# Altium PCB NewBee.PcbDoc
Units mil, origin at the board's own origin, x right, y up, seen from the top; angles counter-clockwise.
Board outline 3177.12 x 3177.14 mil, 2 copper layers (Top Layer, Bottom Layer); 91 components, 60 nets, 303 pads, 178 vias.
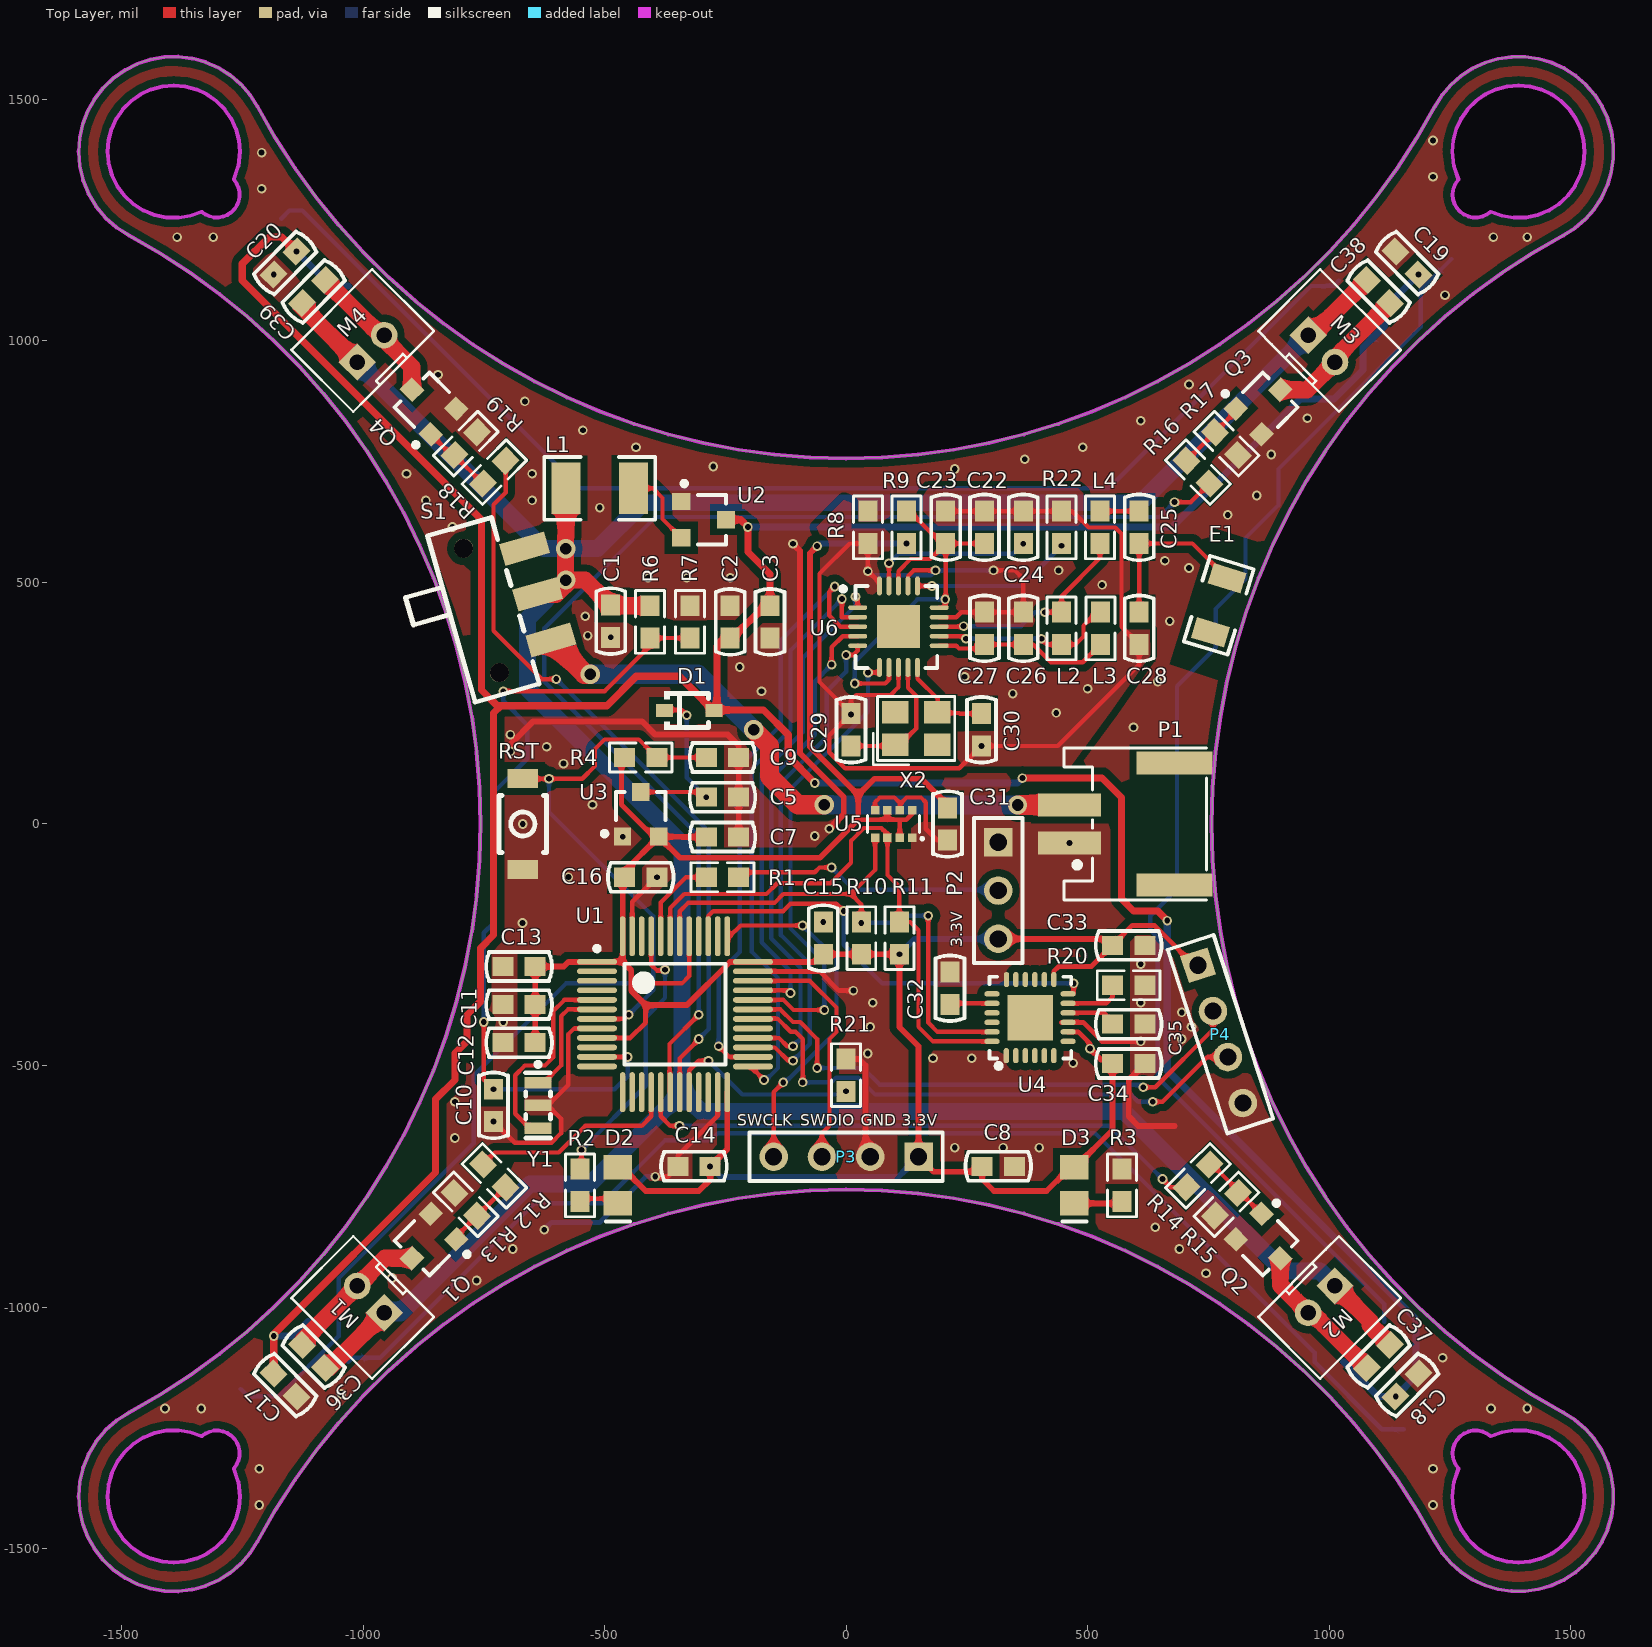
[diagram p0: Top Layer view]
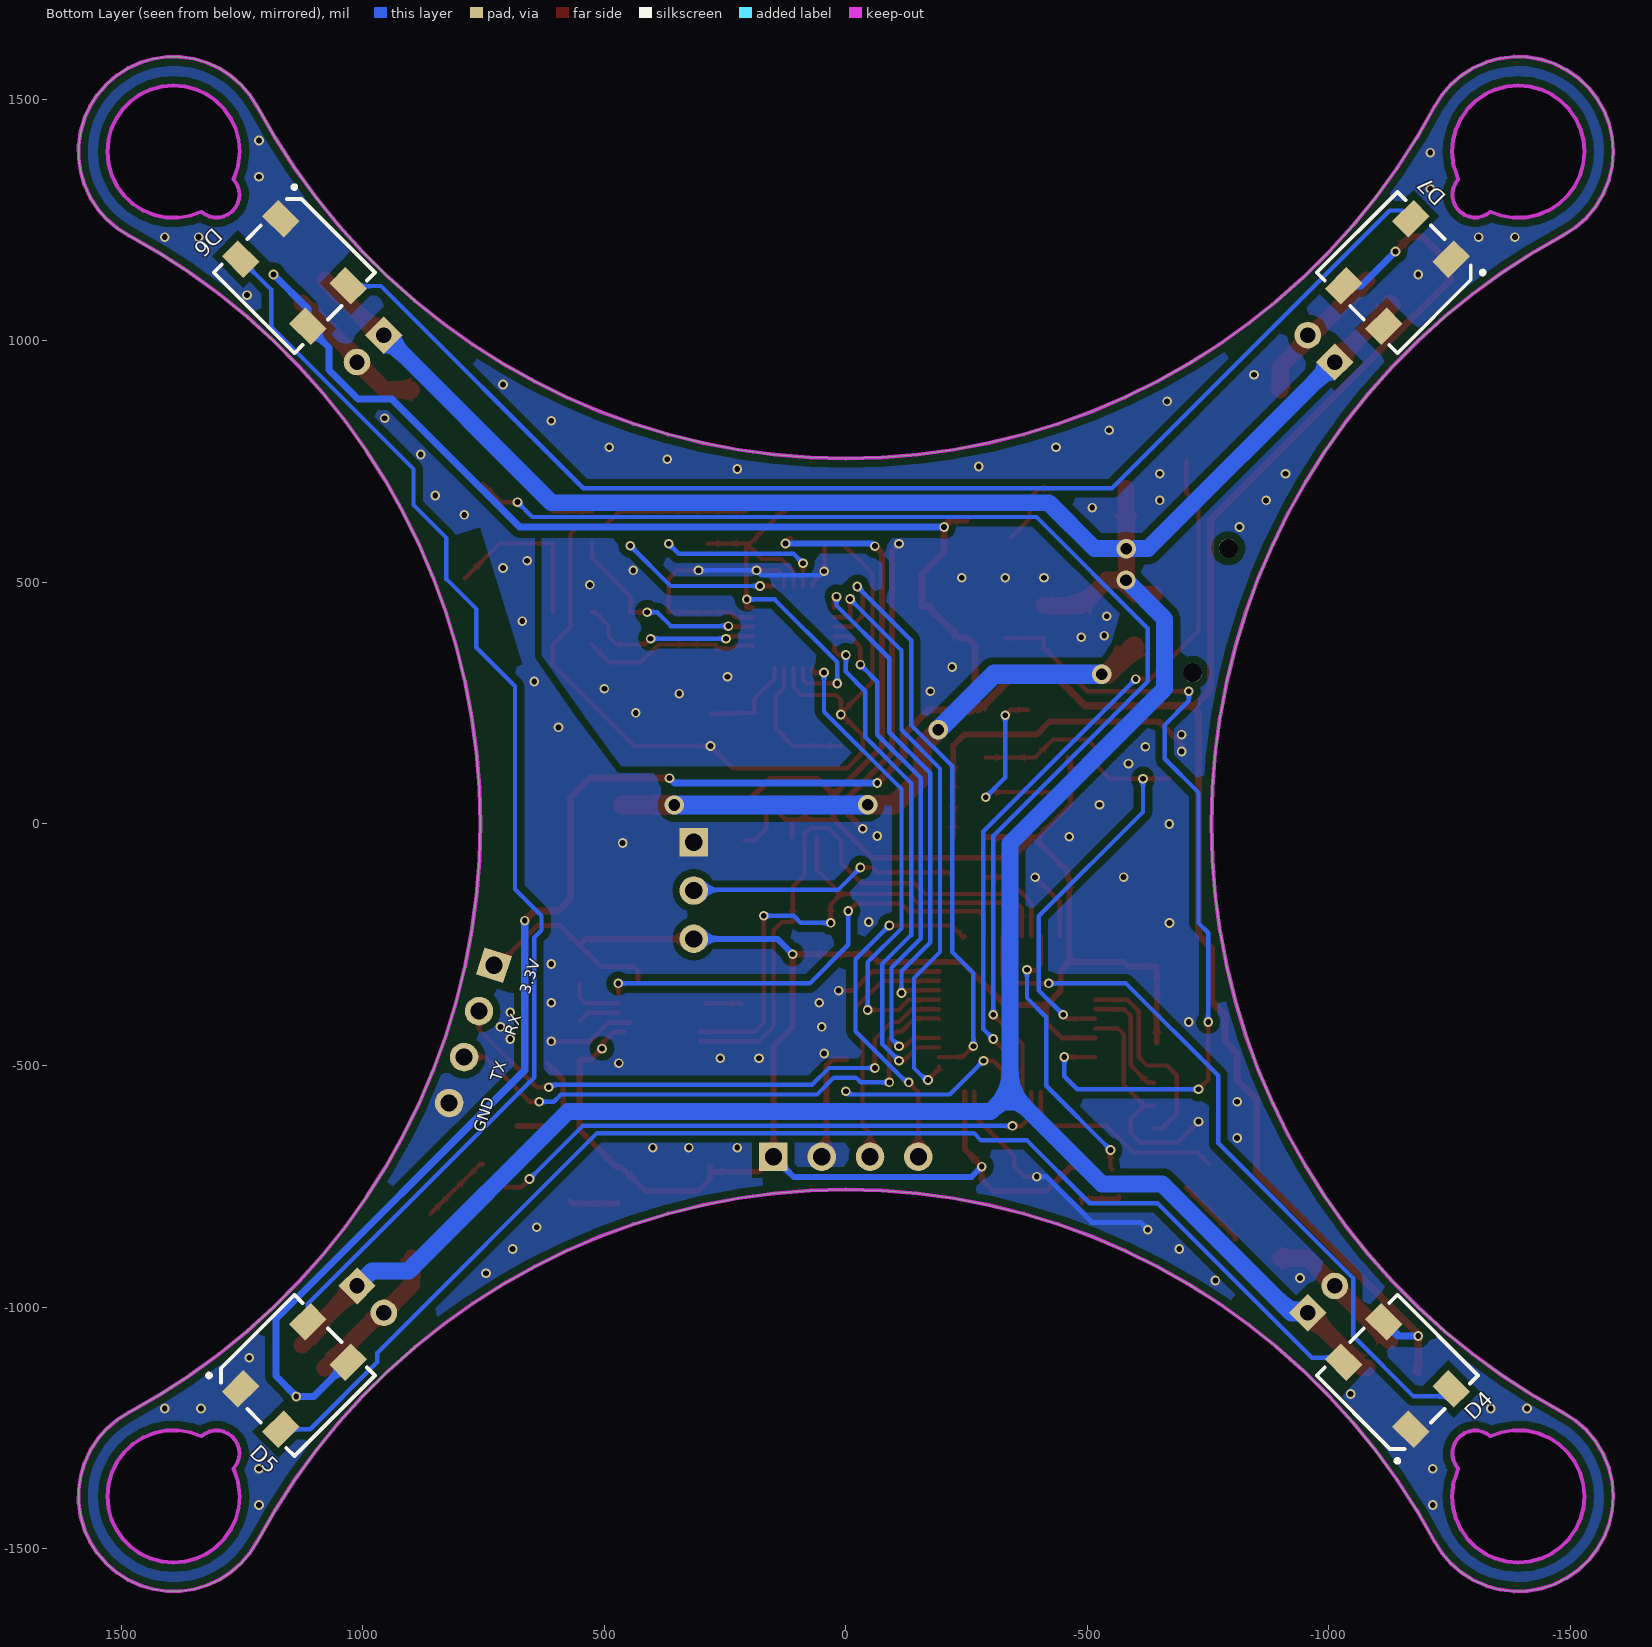
[diagram p1: Bottom Layer view, seen from below]

## Layer stack, top to bottom
Top Solder: solder mask 0.4, Solder Resist, Dk 3.5
Top Layer: signal copper 1.4
Dielectric 1: dielectric 12.6, FR-4, Dk 4.8
Bottom Layer: signal copper 1.4
Bottom Solder: solder mask 0.4, Solder Resist, Dk 3.5

## Board outline
-1485.16,1218.56 -1420.5,1181.52 -1357.92,1141.04 -1297.61,1097.25 -1239.75,1050.28 -1184.5,1000.26 -1132.03,947.34 -1082.48,891.67 -1036,833.41 -992.73,772.74 -952.78,709.82 -916.28,644.84 -883.33,578 -854.03,509.47 -828.47,439.47 -806.71,368.19 -788.82,295.84 -774.85,222.63 -764.84,148.78 -758.82,74.5 -756.82,0 -758.82,-74.5 -764.84,-148.78 -774.85,-222.64 -788.82,-295.84 -806.71,-368.19 -828.47,-439.47 -854.03,-509.47 -883.33,-578 -916.28,-644.84 -952.78,-709.82 -992.73,-772.74 -1036,-833.42 -1082.48,-891.67 -1132.03,-947.34 -1184.5,-1000.26 -1239.75,-1050.28 -1297.61,-1097.25 -1357.92,-1141.04 -1420.5,-1181.52 -1485.16,-1218.56 -1510.64,-1234.91 -1533.32,-1254.96 -1552.65,-1278.26 -1568.18,-1304.24 -1579.54,-1332.3 -1586.47,-1361.76 -1588.79,-1391.94 -1586.67,-1420.8 -1580.33,-1449.03 -1569.93,-1476.03 -1555.68,-1501.22 -1537.89,-1524.04 -1516.95,-1544.01 -1493.3,-1560.69 -1467.47,-1573.73 -1440.01,-1582.84 -1411.5,-1587.82 -1382.58,-1588.57 -1353.85,-1585.07 -1325.95,-1577.4 -1299.48,-1565.73 -1275,-1550.29 -1253.05,-1531.44 -1234.1,-1509.57 -1218.56,-1485.16 -1181.52,-1420.5 -1141.04,-1357.92 -1097.25,-1297.61 -1050.28,-1239.75 -1000.26,-1184.5 -947.34,-1132.03 -891.67,-1082.48 -833.41,-1036 -772.74,-992.73 -709.82,-952.78 -644.84,-916.28 -578,-883.33 -509.47,-854.03 -439.47,-828.47 -368.19,-806.71 -295.84,-788.82 -222.63,-774.85 -148.78,-764.84 -74.5,-758.82 0,-756.82 74.5,-758.82 148.78,-764.84 222.64,-774.85 295.84,-788.82 368.19,-806.71 439.47,-828.47 509.47,-854.03 578,-883.33 644.84,-916.28 709.82,-952.78 772.74,-992.73 833.42,-1036 891.67,-1082.48 947.34,-1132.03 1000.26,-1184.5 1050.28,-1239.75 1097.25,-1297.61 1141.04,-1357.92 1181.52,-1420.5 1218.56,-1485.16 1233.65,-1508.97 1251.99,-1530.37 1273.19,-1548.94 1296.83,-1564.29 1322.42,-1576.11 1349.43,-1584.15 1377.31,-1588.25 1405.5,-1588.33 1433.4,-1584.38 1460.46,-1576.48 1486.11,-1564.81 1509.83,-1549.59 1531.14,-1531.14 1549.59,-1509.83 1564.81,-1486.11 1576.48,-1460.46 1584.38,-1433.4 1588.33,-1405.5 1588.25,-1377.31 1584.15,-1349.43 1576.11,-1322.42 1564.29,-1296.83 1548.94,-1273.19 1530.37,-1251.99 1508.97,-1233.65 1485.16,-1218.56 1420.5,-1181.52 1357.92,-1141.04 1297.61,-1097.25 1239.75,-1050.28 1184.5,-1000.26 1132.03,-947.34 1082.48,-891.67 1036,-833.42 992.73,-772.74 952.78,-709.82 916.28,-644.84 883.33,-578 854.03,-509.47 828.47,-439.47 806.71,-368.19 788.82,-295.84 774.85,-222.64 764.84,-148.78 758.82,-74.5 756.82,0 758.82,74.5 764.84,148.78 774.85,222.63 788.82,295.84 806.71,368.19 828.47,439.47 854.03,509.47 883.33,578 916.28,644.84 952.78,709.82 992.73,772.74 1036,833.41 1082.48,891.67 1132.03,947.34 1184.5,1000.26 1239.75,1050.28 1297.61,1097.25 1357.92,1141.04 1420.5,1181.52 1485.16,1218.56 1508.97,1233.65 1530.37,1251.99 1548.94,1273.19 1564.29,1296.83 1576.11,1322.42 1584.15,1349.43 1588.25,1377.31 1588.33,1405.5 1584.38,1433.4 1576.48,1460.46 1564.81,1486.11 1549.59,1509.83 1531.14,1531.14 1509.83,1549.59 1486.11,1564.81 1460.46,1576.48 1433.4,1584.38 1405.5,1588.33 1377.31,1588.25 1349.43,1584.15 1322.42,1576.11 1296.83,1564.29 1273.19,1548.94 1251.99,1530.37 1233.65,1508.97 1218.56,1485.16 1181.52,1420.5 1141.04,1357.92 1097.25,1297.61 1050.28,1239.75 1000.26,1184.5 947.34,1132.03 891.67,1082.48 833.42,1036 772.74,992.73 709.82,952.78 644.84,916.28 578,883.33 509.47,854.03 439.47,828.47 368.19,806.71 295.84,788.82 222.64,774.85 148.78,764.84 74.5,758.82 0,756.82 -74.5,758.82 -148.78,764.84 -222.63,774.85 -295.84,788.82 -368.19,806.71 -439.47,828.47 -509.47,854.03 -578,883.33 -644.84,916.28 -709.82,952.78 -772.74,992.73 -833.41,1036 -891.67,1082.48 -947.34,1132.03 -1000.26,1184.5 -1050.28,1239.75 -1097.25,1297.61 -1141.04,1357.92 -1181.52,1420.5 -1218.56,1485.16 -1234.1,1509.57 -1253.05,1531.44 -1275,1550.29 -1299.48,1565.73 -1325.95,1577.4 -1353.85,1585.07 -1382.58,1588.57 -1411.5,1587.82 -1440.01,1582.83 -1467.47,1573.73 -1493.3,1560.69 -1516.95,1544.01 -1537.89,1524.04 -1555.68,1501.22 -1569.93,1476.03 -1580.33,1449.03 -1586.67,1420.8 -1588.79,1391.94 -1586.47,1361.76 -1579.54,1332.29 -1568.18,1304.24 -1552.65,1278.26 -1533.32,1254.96 -1510.64,1234.91
cut-out: 1528.95,1391.94 1526.68,1367.11 1519.95,1343.1 1508.98,1320.71 1494.13,1300.68 1475.9,1283.67 1454.88,1270.25 1431.79,1260.86 1407.37,1255.81 1382.44,1255.26 1357.82,1259.25 1334.34,1267.63 1326.34,1261.86 1317.32,1257.88 1307.67,1255.86 1297.81,1255.88 1288.17,1257.96 1279.17,1261.98 1271.2,1267.79 1264.61,1275.13 1259.69,1283.67 1256.64,1293.05 1255.61,1302.86 1257,1314.23 1261.09,1324.93 1267.63,1334.34 1258.15,1362.45 1254.93,1391.94 1257.02,1415.73 1263.2,1438.8 1273.29,1460.45 1286.99,1480.01 1303.88,1496.9 1323.44,1510.59 1345.08,1520.69 1368.15,1526.87 1391.94,1528.95 1415.73,1526.87 1438.8,1520.69 1460.45,1510.59 1480.01,1496.9 1496.9,1480.01 1510.6,1460.45 1520.69,1438.8 1526.87,1415.73
cut-out: 1254.93,-1391.94 1258.15,-1362.45 1267.63,-1334.34 1261.09,-1324.93 1257,-1314.23 1255.61,-1302.86 1256.64,-1293.05 1259.69,-1283.67 1264.61,-1275.13 1271.2,-1267.79 1279.17,-1261.98 1288.17,-1257.96 1297.81,-1255.88 1307.67,-1255.86 1317.32,-1257.88 1326.34,-1261.86 1334.34,-1267.63 1357.82,-1259.25 1382.44,-1255.26 1407.37,-1255.81 1431.79,-1260.86 1454.88,-1270.25 1475.9,-1283.67 1494.13,-1300.68 1508.98,-1320.71 1519.95,-1343.1 1526.68,-1367.11 1528.95,-1391.94 1526.87,-1415.73 1520.69,-1438.8 1510.6,-1460.45 1496.9,-1480.01 1480.01,-1496.9 1460.45,-1510.6 1438.8,-1520.69 1415.73,-1526.87 1391.94,-1528.95 1368.15,-1526.87 1345.08,-1520.69 1323.44,-1510.6 1303.88,-1496.9 1286.99,-1480.01 1273.29,-1460.45 1263.2,-1438.8 1257.02,-1415.73
cut-out: -1528.95,-1391.94 -1526.68,-1367.11 -1519.95,-1343.1 -1508.98,-1320.71 -1494.13,-1300.68 -1475.9,-1283.67 -1454.88,-1270.25 -1431.78,-1260.86 -1407.37,-1255.81 -1382.44,-1255.26 -1357.82,-1259.25 -1334.34,-1267.63 -1326.63,-1262.03 -1317.96,-1258.09 -1308.67,-1255.97 -1299.15,-1255.76 -1289.78,-1257.46 -1280.94,-1261.01 -1272.99,-1266.25 -1266.25,-1272.99 -1261.01,-1280.94 -1257.46,-1289.78 -1255.76,-1299.15 -1255.97,-1308.68 -1258.09,-1317.96 -1262.03,-1326.63 -1267.63,-1334.34 -1258.15,-1362.45 -1254.93,-1391.94 -1257.02,-1415.73 -1263.2,-1438.8 -1273.29,-1460.45 -1286.99,-1480.01 -1303.88,-1496.9 -1323.44,-1510.6 -1345.08,-1520.69 -1368.15,-1526.87 -1391.94,-1528.95 -1415.73,-1526.87 -1438.8,-1520.69 -1460.45,-1510.6 -1480.01,-1496.9 -1496.9,-1480.01 -1510.59,-1460.45 -1520.69,-1438.8 -1526.87,-1415.73
cut-out: -1254.93,1391.94 -1258.15,1362.45 -1267.63,1334.34 -1262.03,1326.63 -1258.09,1317.96 -1255.97,1308.67 -1255.76,1299.15 -1257.46,1289.78 -1261.01,1280.94 -1266.25,1272.99 -1272.99,1266.25 -1280.94,1261.01 -1289.78,1257.46 -1299.15,1255.76 -1308.67,1255.97 -1317.96,1258.09 -1326.63,1262.03 -1334.34,1267.63 -1357.82,1259.25 -1382.44,1255.26 -1407.37,1255.81 -1431.78,1260.86 -1454.88,1270.25 -1475.9,1283.67 -1494.13,1300.68 -1508.98,1320.71 -1519.95,1343.1 -1526.68,1367.11 -1528.95,1391.94 -1526.87,1415.73 -1520.69,1438.8 -1510.59,1460.45 -1496.9,1480.01 -1480.01,1496.9 -1460.45,1510.59 -1438.8,1520.69 -1415.73,1526.87 -1391.94,1528.95 -1368.15,1526.87 -1345.08,1520.69 -1323.44,1510.59 -1303.88,1496.9 -1286.99,1480.01 -1273.29,1460.45 -1263.2,1438.8 -1257.02,1415.73

## Design rules (kind name [scope] priority, off if disabled: settings)
Clearance [All] p1: gap=6 except(15: Arc-Poly Track-Poly SMDPad-Poly THPad-Poly Via-Poly Fill-Poly Poly-Poly)
MinimumSolderMaskSliver [All] p1: minsoldermaskwidth=0
PolygonConnect [All] p1: connectstyle=Direct reliefconductorwidth=10 reliefentries=4 polygonreliefangle="90 Angle" airgapwidth=10
RoutingVias RoutingVias_1 [(InNet('5V') OR InNet('VBAT') OR InNet('NetP1_2'))] p1: holewidth=16 width=30 viastyle="Through Hole" minholewidth=10 minwidth=20 maxholewidth=28 maxwidth=50
RoutingVias [All] p2: holewidth=12 width=20 viastyle="Through Hole" minholewidth=5 minwidth=10 maxholewidth=28 maxwidth=50
SilkToSilkClearance [All] p1: silktosilkclearance=0
SilkToSolderMaskClearance [IsPad] p1: minsilkscreentomaskgap=0 clearancetoexposedcopper=TRUE
SolderMaskExpansion [All] p1: expansion=4
Width Width_3 [InNet('5V')] p1: maxlimit=20 minlimit=10 preferedwidth=15
Width Width_2 [(InNet('VBAT') OR InNet('NetP1_2'))] p2: maxlimit=50 minlimit=15 preferedwidth=40
Width Width_1 [InNet('3.3V')] p3: maxlimit=12 minlimit=10 preferedwidth=12
Width [All] p4: maxlimit=50 minlimit=9 preferedwidth=9
27 further rules are at their usual default settings.

## Components (designator, comment, footprint, x,y, rotation, side; value= is the part's Value field where it differs from the comment)
C1 "10μF" C-0603 -487.44,420 r90 top
C2 "22μF" C-0603 -239.97,418.39 r270 top
C3 "104" C-0603 -157.48,418.39 r90 top
C5 "1μF" C-0603 -255.91,55.45 r0 top
C7 "1μF" C-0603 -255.91,-26.9 r0 top
C8 "104" C-0603 314.96,-708.66 r0 top
C9 "104" C-0603 -255.91,137.8 r0 top
C10 "104" C-0603 -730,-582.68 r90 top
C11 "1μF" C-0603 -677.17,-374.02 r0 top
C12 "104" C-0603 -677.17,-452.76 r0 top
C13 "104" C-0603 -677.17,-295.28 r0 top
C14 "104" C-0603 -314.96,-708.66 r180 top
C15 "104" C-0603 -47.24,-236.22 r270 top
C16 "104" C-0603 -425.2,-110.24 r180 top
C17 "104" C-0603 -1161.42,-1161.42 r315 top
C18 "104" C-0603 1161.42,-1161.42 r45 top
C19 "104" C-0603 1161.42,1161.42 r135 top
C20 "104" C-0603 -1161.42,1161.42 r225 top
C22 "10nF" C-0603 286.36,614.17 r270 top
C23 "1nF" C-0603 206.26,614.17 r270 top
C24 "33nF" C-0603 366.78,614.17 r90 top
C25 "1.5pF" C-0603 606.74,614.17 r90 top
C26 "2.2nF" C-0603 366.78,405.08 r90 top
C27 "4.7pF" C-0603 286.36,405.08 r90 top
C28 "1pF" C-0603 606.74,405.08 r90 top
C29 "10pF" C-0603 10.32,195.08 r270 top
C30 "10pF" C-0603 280.32,195.08 r90 top
C31 "104" C-0603 210,0 r90 top
C32 "2.2nF" C-0603 215,-340 r270 top
C33 "104" C-0603 585,-251.22 r180 top
C34 "10nF" C-0603 585,-496.06 r180 top
C35 "104" C-0603 585,-414.45 r0 top
C36 "4.7μF" C-0603 -1102.36,-1102.36 r135 top
C37 "4.7μF" C-0603 1102.36,-1102.36 r225 top
C38 "4.7μF" C-0603 1102.36,1102.36 r315 top
C39 "4.7μF" C-0603 -1102.36,1102.36 r45 top
D1 "1N5819" SOD-323_L1.6-W1.3-LS2.7-RD -325,235 r0 top
D2 "LED0" LED-0805 -472.44,-748.03 r270 top
D3 "LED0" LED-0805 472.44,-748.03 r270 top
D4 "WS2812B" SMD-5050-4 -1141.73,-1141.73 r225 bottom
D5 "WS2812B" SMD-5050-4 1141.73,-1141.73 r315 bottom
D6 "WS2812B" SMD-5050-4 1141.73,1141.73 r45 bottom
D7 "WS2812B" SMD-5050-4 -1141.73,1141.73 r135 bottom
E1 "ANT" AN3216 771.65,452.76 r253 top
L1 "Inductor" 1210 -510,695 r0 top
L2 "Inductor" 0603-1 446.22,405.08 r270 top
L3 "Inductor" 0603-1 526.64,405.08 r90 top
L4 "Inductor" 0603-1 525.66,614.17 r90 top
M1 "Motor_720" PH2.0-2P-TH -984.25,-984.25 r135 top
M2 "Motor_720" PH2.0-2P-TH 984.25,-984.25 r225 top
M3 "Motor_720" PH2.0-2P-TH 984.25,984.25 r315 top
M4 "Motor_720" PH2.0-2P-TH -984.25,984.25 r45 top
P1 "Header 2" PH2.0-2P-SMD-WT 570.87,0 r90 top
P2 "Header 3" HDR3X1-2.54 314.96,-137.8 r270 top
P3 "Header 4" HDR4X1-2.54 0,-688.98 r180 top
P4 "Header 4" HDR4X1-2.54 775,-435 r288 top
Q1 "SI2302" SOT23-3 -866.14,-866.14 r135 top
Q2 "SI2302" SOT23-3 866.14,-866.14 r225 top
Q3 "SI2302" SOT23-3 866.14,866.14 r315 top
Q4 "SI2302" SOT23-3 -866.14,866.14 r45 top
R1 "10K" 0603-1 -255.91,-110.24 r0 top
R2 "1K" 0603-1 -551.18,-748.03 r270 top
R3 "1K" 0603-1 570.87,-748.03 r270 top
R4 "10K" 0603-1 -425.2,137.8 r180 top
R6 "100K" 0603-1 -405.94,418.39 r270 top
R7 "100K" 0603-1 -323.45,418.39 r90 top
R8 "0R" 0603-1 45.08,614.17 r90 top
R9 "0R" 0603-1 125.17,614.17 r270 top
R10 "4.7K" 0603-1 31.5,-236.22 r90 top
R11 "4.7K" 0603-1 110.24,-236.22 r90 top
R12 "100R" 0603-1 -728.35,-728.35 r315 top
R13 "10K" 0603-1 -787.4,-787.4 r315 top
R14 "100R" 0603-1 728.35,-728.35 r45 top
R15 "10K" 0603-1 787.4,-787.4 r45 top
R16 "100R" 0603-1 728.35,728.35 r135 top
R17 "10K" 0603-1 787.4,787.4 r135 top
R18 "100R" 0603-1 -728.35,728.35 r225 top
R19 "10K" 0603-1 -787.4,787.4 r225 top
R20 "1K" 0603-1 585,-333.82 r180 top
R21 "10K" 0603-1 0,-520 r90 top
R22 "10K" 0603-1 446.22,614.17 r270 top
RST "SW-PB" SW-SMD_L4.0-W3.0-P4.8-LS5.0-L -669.29,0 r270 top
S1 "SW" SW-SMD_DEALON_MK-12D04-G2 -745,445 r106 top
U1 "STM32F103C8T6" LQFP-48 -354.33,-393.7 r0 top
U2 "HT7750SA" SOT23-3 -295,630 r270 top
U3 "XC6206-3.3V" SOT23-3 -425.2,20 r0 top
U4 "MPU6050" QFN-24 380.83,-400.83 r0 top
U5 "SPL06-001" SENSOR-SMD_SPL06-001 98.43,0 r0 top
U6 "Si24R1" QFN20 24.06,447.83 r0 top
X2 "16M" X-SMD_4P-L3.2-W2.5-BL 145,197.7 r0 top
Y1 "8MHz" OSC-SMD_3P-L3.2-W1.3-P1.20-L -637.8,-582.68 r270 top

## Footprints (in the part's own frame and the unit in brackets; to place one, negate y for a bottom-side part, rotate by r counter-clockwise, add the part's x,y. Pads: shape width x height; smd on the part's side, far side on the other; paste and mask are expansions set on the pad)
0603-1 [mm] "0603带丝印"
  rect 1.1x1 smd: 1(-0.85,0) 2(0.85,0)
  silkscreen extent -1.65,-0.76 1.65,0.76, body extent -0.8,-0.4 0.8,0.4, height 0.3
1210 [mil] "贴片元件"
  rect 60x106.3 smd: 1(-70,0) 2(70,0)
  silkscreen extent -115,-65 115,65, body extent -65,-50 65,50, height 39
AN3216 [mm]
  rect 1.13x1.8 smd: 0(1.49,0) 1(-1.49,0)
  silkscreen extent -2.36,-1.2 2.35,1.2, body extent -2.25,-1 2.25,1, height 0.88
C-0603 [mm] "贴片电容"
  rect 1.1x1 smd: 1(-0.85,0) 2(0.85,0)
  silkscreen extent -1.73,-0.76 1.73,0.76, body extent -0.8,-0.4 0.8,0.4, height 0.3
HDR3X1-2.54 [mm] "2.54单排针排座"
  rect 1.5x1.5 hole 0.9: 1(-2.54,0)
  round 1.5 hole 0.9: 2(0,0) 3(2.54,0)
  silkscreen extent -3.81,-1.27 3.81,1.27, body extent -3.81,-1.27 3.81,1.27, height 8.54
HDR4X1-2.54 [mm] "2.54单排针排座"
  rect 1.5x1.5 hole 0.9: 1(-3.81,0)
  round 1.5 hole 0.9: 2(-1.27,0) 3(1.27,0) 4(3.81,0)
  silkscreen extent -5.08,-1.27 5.08,1.27, body extent -5.08,-1.27 5.08,1.27, height 8.5
LED-0805 [mm] "贴片LED"
  rect 1.3x1.5 smd: 1(-0.95,0) 2(0.95,0)
  silkscreen extent 1.91,-0.63 1.91,0.64, body extent -1.01,-0.62 1.01,0.63, height 1.1
LQFP-48 [mm] "LQFP"
  oval 2.1x0.3 smd: 1(-4.1,2.75) 2(-4.1,2.25) 3(-4.1,1.75) 4(-4.1,1.25) 5(-4.1,0.75) 6(-4.1,0.25) 7(-4.1,-0.25) 8(-4.1,-0.75) 9(-4.1,-1.25) 10(-4.1,-1.75) 11(-4.1,-2.25) 12(-4.1,-2.75) 25(4.1,-2.75) 26(4.1,-2.25) 27(4.1,-1.75) 28(4.1,-1.25) 29(4.1,-0.75) 30(4.1,-0.25) 31(4.1,0.25) 32(4.1,0.75) 33(4.1,1.25) 34(4.1,1.75) 35(4.1,2.25) 36(4.1,2.75)
  oval 0.3x2.1 smd: 13(-2.75,-4.1) 14(-2.25,-4.1) 15(-1.75,-4.1) 16(-1.25,-4.1) 17(-0.75,-4.1) 18(-0.25,-4.1) 19(0.25,-4.1) 20(0.75,-4.1) 21(1.25,-4.1) 22(1.75,-4.1) 23(2.25,-4.1) 24(2.75,-4.1) 37(2.75,4.1) 38(2.25,4.1) 39(1.75,4.1) 40(1.25,4.1) 41(0.75,4.1) 42(0.25,4.1) 43(-0.25,4.1) 44(-0.75,4.1) 45(-1.25,4.1) 46(-1.75,4.1) 47(-2.25,4.1) 48(-2.75,4.1)
  silkscreen extent -4.22,-2.65 2.65,3.57, body extent -4.57,-4.2 4.46,4.83, height 1.6
OSC-SMD_3P-L3.2-W1.3-P1.20-L [mil]
  rect 23.6x55.1 smd mask+2: 1(-47.2,0) 2(0,0) 3(47.2,0)
  silkscreen extent -90,-26 68,26, body extent -63,-26 63,26, height 32
PH2.0-2P-SMD-WT [mil]
  rect 47.2x129.9 smd mask+1.97: 1(-39.4,108.6) 2(39.4,108.6)
  rect 48x157.5 smd mask+1.97: 3(-126,-108.6) 4(126,-108.6)
  silkscreen extent -158,-176 157,120, body extent -158,-176 157,162, height 221
PH2.0-2P-TH [mil]
  rect 55.1x55.1 hole 32 mask+2: 1(-39.37,0)
  round 55.1 hole 32 mask+2: 2(39.37,0)
  silkscreen extent -118,-67 118,114, body extent -118,-71 118,118, height 244
QFN20 [mm]
  rect 2.261x2.261 smd: 0(2.134,-0.991)
  oval 1x0.25 smd: 1(0,0) 2(0,-0.5) 3(0,-1) 4(0,-1.5) 5(0,-2) 11(4.286,-2) 12(4.286,-1.5) 13(4.286,-1) 14(4.286,-0.5) 15(4.286,0)
  oval 0.25x1 smd: 6(1.143,-3.143) 7(1.643,-3.143) 8(2.143,-3.143) 9(2.643,-3.143) 10(3.143,-3.143) 16(3.143,1.143) 17(2.643,1.143) 18(2.143,1.143) 19(1.643,1.143) 20(1.143,1.143)
  silkscreen extent -0.89,-3.17 4.18,1.13, body extent 0.03,-3.02 4.03,0.98, height 0.9
QFN-24 [mm]
  oval 0.28x0.8 smd: 1(-1.25,-2) 2(-0.75,-2) 3(-0.25,-2) 4(0.25,-2) 5(0.75,-2) 6(1.25,-2) 13(1.25,2) 14(0.75,2) 15(0.25,2) 16(-0.25,2) 17(-0.75,2) 18(-1.242,2)
  oval 0.8x0.28 smd: 7(2,-1.25) 8(2,-0.75) 9(2,-0.25) 10(2,0.25) 11(2,0.75) 12(2,1.25) 19(-2,1.25) 20(-2,0.75) 21(-2,0.25) 22(-2,-0.25) 23(-2,-0.75) 24(-2,-1.25)
  rect 2.4x2.4 smd: 25(0.012,0)
  silkscreen extent -2.14,-2.79 2.16,2.15, body extent -2.08,-2.08 2.09,2.09, height 0.8
SENSOR-SMD_SPL06-001 [mm]
  rect 0.45x0.45 smd: 1(0.975,-0.725) 2(0.325,-0.725) 3(-0.325,-0.725) 4(-0.975,-0.725) 5(-0.975,0.725) 6(-0.325,0.725) 7(0.325,0.725) 8(0.975,0.725)
  silkscreen extent -1.37,-0.84 1.57,0.45, body extent -1.25,-1 1.25,1, height 0.96
SMD-5050-4 [mm]
  rect 1.6x1.2 smd: 1(-2.5,1.5) 2(-2.5,-1.5) 3(2.5,-1.5) 4(2.5,1.5)
  silkscreen extent -3,-3.27 3.27,3, body extent -2.7,-2.5 2.7,2.5, height 1.5
SOD-323_L1.6-W1.3-LS2.7-RD [mil]
  rect 35.4x27.6 smd mask+1.97: 1(51.2,0) 2(-51.2,0)
  silkscreen extent -52,-40 40,40, body extent -48,-26 50,26, height 47
SOT23-3 [mm]
  rect 0.9x0.95 smd: 1(-0.95,-1.175) 2(0.95,-1.175) 3(0,1.175)
  silkscreen extent -2.03,-1.14 1.3,1.18, body extent -1.45,-1.4 1.45,1.4, height 1.2
SW-SMD_DEALON_MK-12D04-G2 [mm] "微型拨动开关"
  rect 1.2x2.45 smd: 1(-2.5,-2.813) 2(0,-2.813) 3(2.5,-2.813)
  round 1 hole 1 unplated: ""(-3.4,0.261) ""(3.4,0.261)